# Altium PCB CH32V307V-R2-1v1.PcbDoc (part 1 of 3)
Units mm, origin at the board's own origin, x right, y up, seen from the top; angles counter-clockwise.
Board outline 80 x 115 mm, 2 copper layers (Top Layer, Bottom Layer); 122 components, 134 nets, 559 pads, 721 vias.
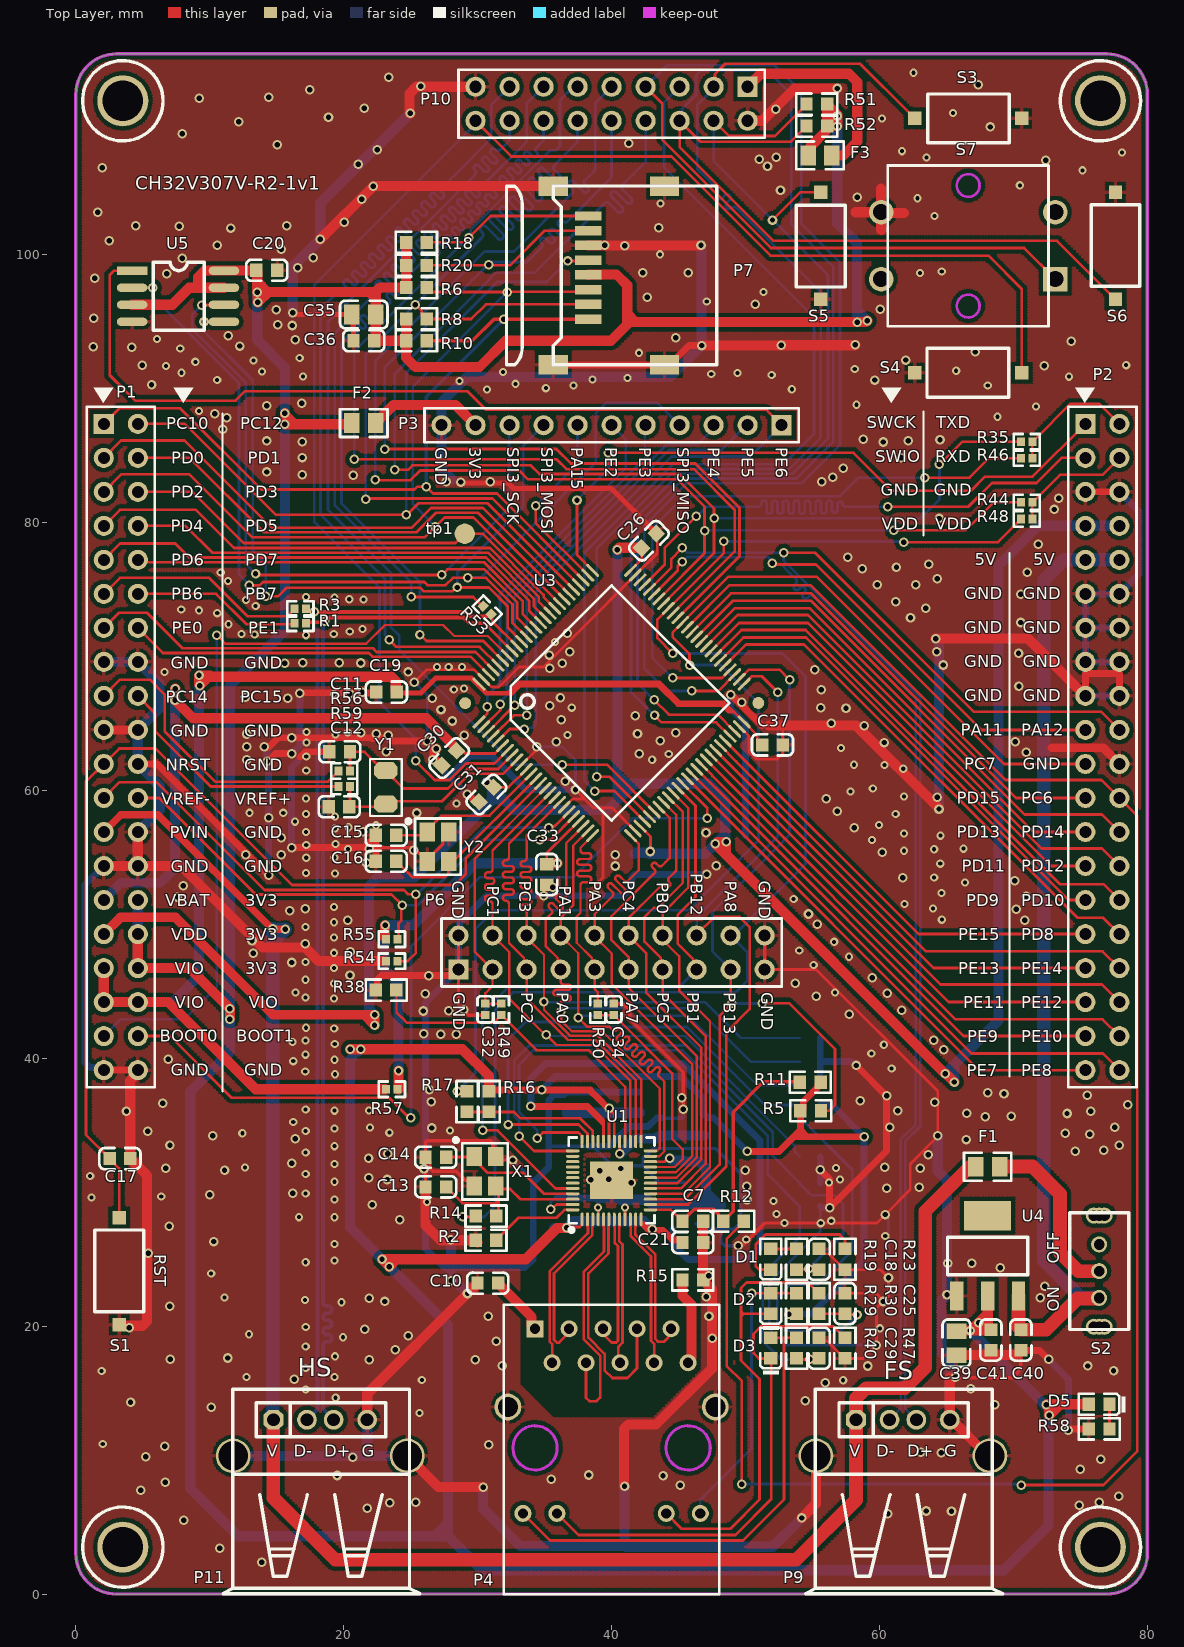
[diagram p0: Top Layer view]
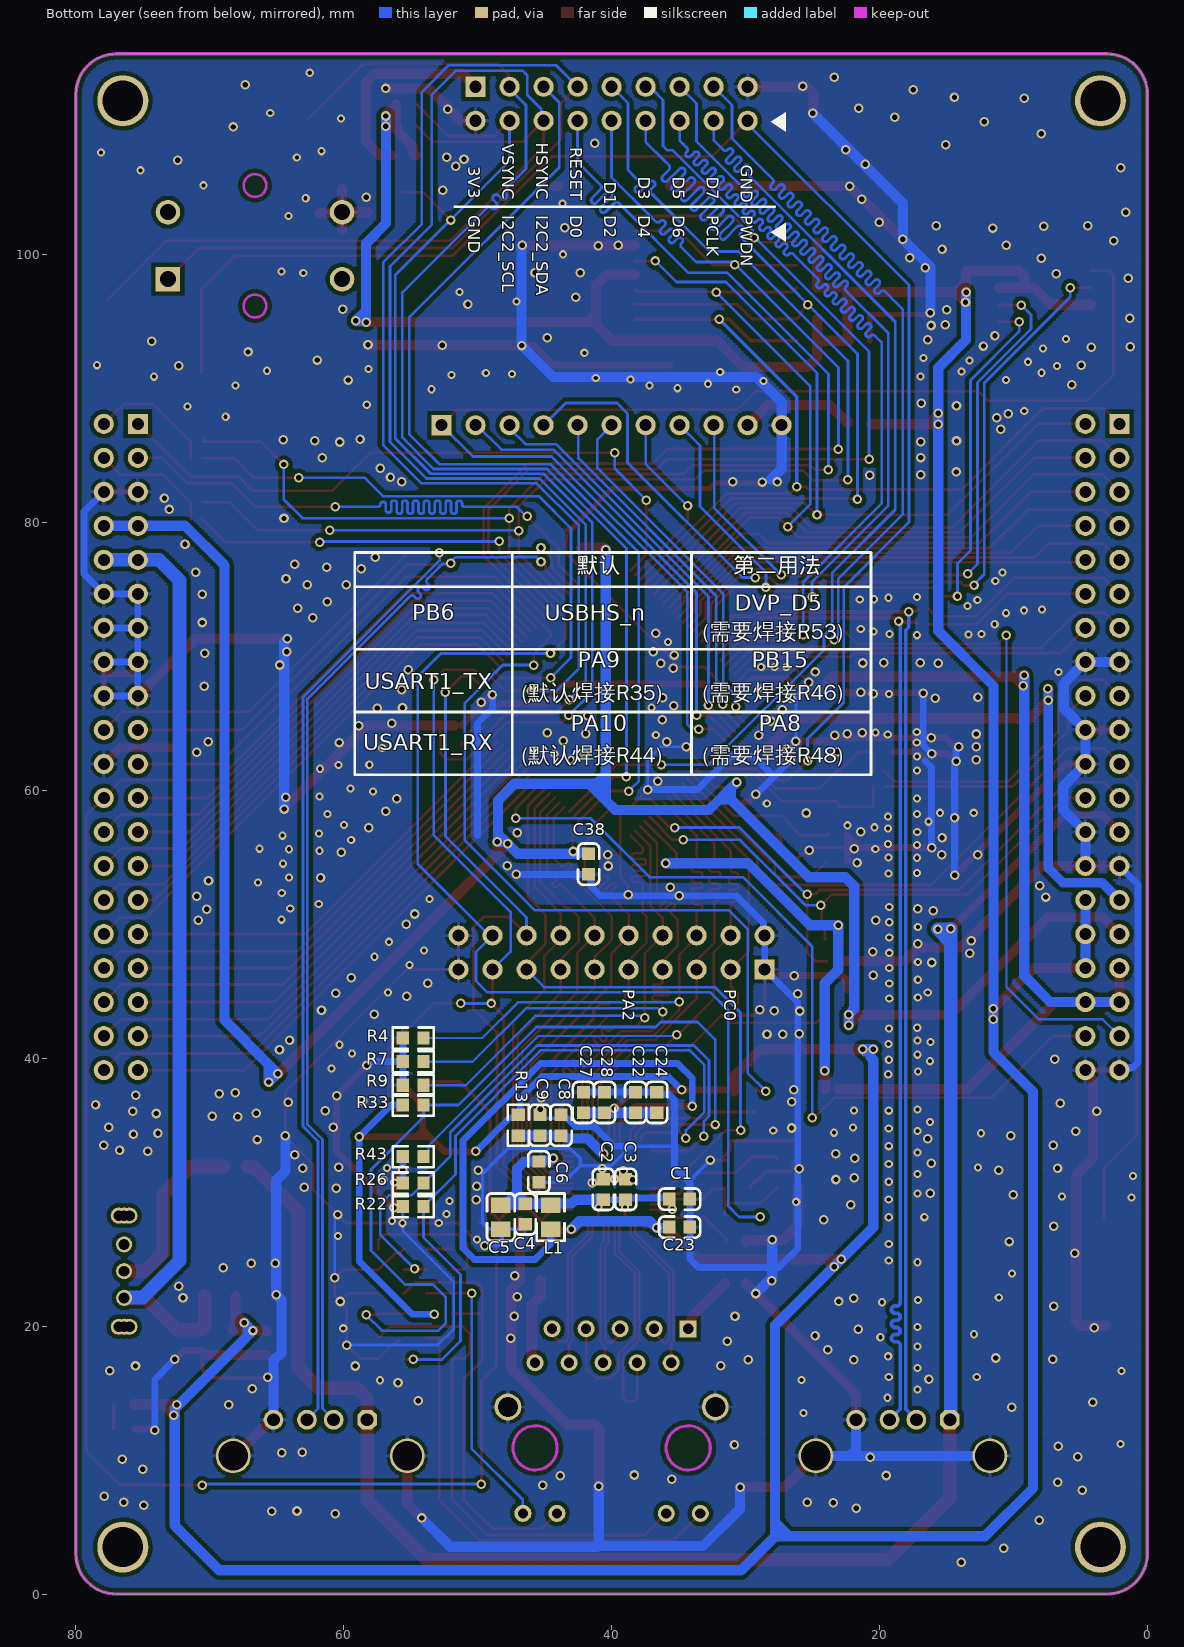
[diagram p1: Bottom Layer view, seen from below]
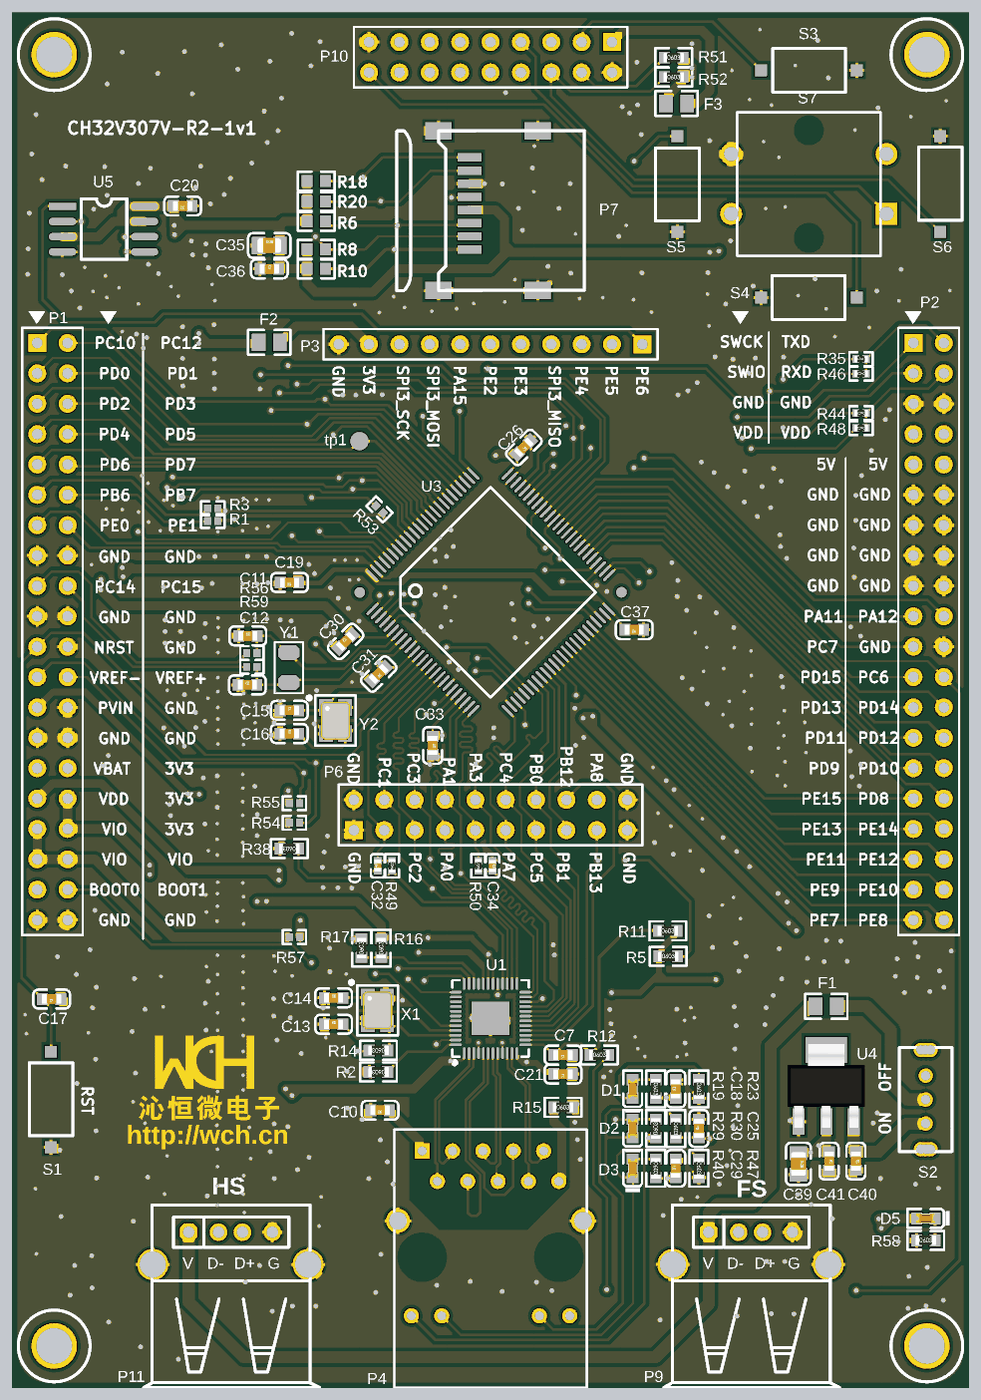
[diagram p4: 3D render of the assembled board from above, using the file's embedded part models]
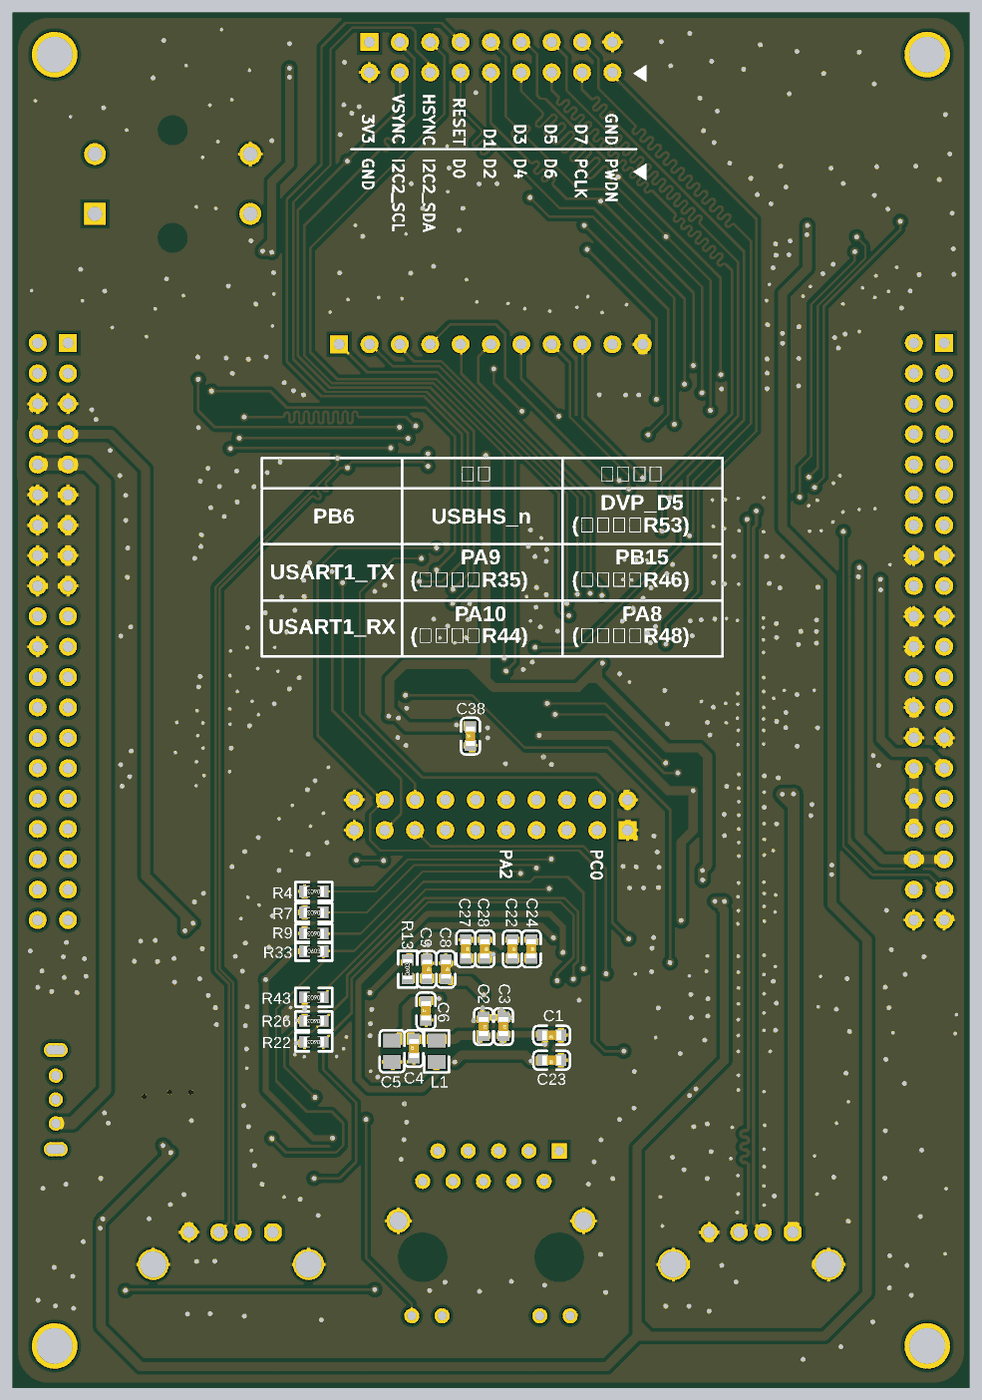
[diagram p5: 3D render of the assembled board from below, using the file's embedded part models]

## Layer stack, top to bottom
Top Solder: solder mask 0.0102, Solder Resist, Dk 3.5
Top Layer: signal copper 0.0356
Dielectric 1: dielectric 0.32, FR-4, Dk 4.8
Bottom Layer: signal copper 0.0356
Bottom Solder: solder mask 0.0102, Solder Resist, Dk 3.5

## Board outline
0,3 0,112 cw(c3,112) 3,115 77.007,115 77,115 cw(c77,112) 80,112 80,2.999 80,3 cw(c77,3) 77,0 3,0 cw(c3,3)

## Design rules (kind name [scope] priority, off if disabled: settings)
Clearance Clearance_2 [InPolygon] p1: gap=0.305 ignorepadtopadclearanceinfootprint=FALSE
Clearance [All] p2: gap=0.127 ignorepadtopadclearanceinfootprint=FALSE except(0.178: Arc-Via Track-Via SMDPad-Via THPad-Via Via-Via Via-Fill Via-Poly Via-Region Via-Text Via-Hole)
ComponentClearance [All] p1 off: gap=0.254 collisioncheckmode=3 verticalgap=0.254 showdistances=FALSE
DiffPairsRouting [All] p1: maxlimit=0.254 minlimit=0.127 mostfreqgap=0.254 toplayer_minwidth=0.152 toplayer_maxwidth=0.381 toplayer_prefwidth=0.381 bottomlayer_minwidth=0.152 bottomlayer_maxwidth=0.381 bottomlayer_prefwidth=0.381 maxuncoupledlength=12.7
MinimumSolderMaskSliver [All] p1 off: minsoldermaskwidth=0.254
PolygonConnect PolygonConnect_1 [IsVia] p1: connectstyle=Direct reliefconductorwidth=0.254 reliefentries=4 polygonreliefangle="90 Angle" airgapwidth=0.254
PolygonConnect [All] p2: connectstyle=Relief reliefconductorwidth=0.254 reliefentries=4 polygonreliefangle="90 Angle" airgapwidth=0.254
RoutingVias [All] p1: holewidth=0.711 width=1.27 viastyle="Through Hole" minholewidth=0.305 minwidth=0.61 maxholewidth=0.711 maxwidth=1.27
SilkToSilkClearance [All] p1 off: silktosilkclearance=0.254
SilkToSolderMaskClearance [IsPad] p1 off: minsilkscreentomaskgap=0.254 clearancetoexposedcopper=TRUE
SolderMaskExpansion [All] p1: expansion=0.102 istentingtop=FALSE
Width [All] p1: maxlimit=2.54 minlimit=0.127 preferedwidth=0.254
25 further rules are at their usual default settings.

## Classes and differential pairs
differential pair USB1D: +USB1D_p -USB1D_n
differential pair USB2D: +USB2D_p -USB2D_n
differential pair MDI3: +MDI3_p -MDI3_n
differential pair MDI2: +MDI2_p -MDI2_n
differential pair MDI1: +MDI1_p -MDI1_n
differential pair MDI0: +MDI0_p -MDI0_n

## Components (designator, comment, footprint, x,y, rotation, side; value= is the part's Value field where it differs from the comment)
C1 "100nF" 0603_C 34.921,29.489 r0 bottom
C2 "100nF" 0603_C 40.623,30.217 r270 bottom
C3 "100nF" 0603_C 38.953,30.217 r270 bottom
C4 "100nF" 0603_C 46.444,28.377 r90 bottom
C5 "22uF" 0805_C#1 48.271,27.252 r90 bottom
C6 "100nF" 0603_C 45.433,31.527 r90 bottom
C7 "100nF" 0603_C 46.062,27.833 r180 top
C8 "100nF" 0603_C 43.773,35.004 r270 bottom
C9 "4.7uF" 0603_C 45.357,35.004 r270 bottom
C10 "100nF" 0603_C 30.756,23.212 r180 top
C11 "12pF" 0603_C 19.698,62.889 r0 top
C12 "12pF" 0603_C 19.657,58.786 r0 top
C13 "27pF" 0603_C 26.873,30.404 r0 top
C14 "27pF" 0603_C 26.873,32.614 r0 top
C15 "20pF" 0603_C 23.167,56.655 r0 top
C16 "20pF" 0603_C 23.167,54.719 r0 top
C17 "100nF" 0603_C 3.285,32.513 r180 top
C18 "100nF" 0603_C 55.495,24.995 r90 top
C19 "100nF" 0603_C 23.186,67.348 r180 top
C20 "100nF" 0603_C 14.251,98.843 r180 top
C21 "100nF" 0603_C 46.062,26.241 r180 top
C22 "100nF" 0603_C 38.206,36.708 r270 bottom
C23 "100nF" 0603_C 34.921,27.397 r0 bottom
C24 "4.7uF" 0603_C 36.628,36.708 r270 bottom
C25 "100nF" 0603_C 57.427,21.691 r90 top
C26 "100nF" 0603_C 42.788,78.647 r225 top
C27 "100nF" 0603_C 42.099,36.708 r270 bottom
C28 "4.7uF" 0603_C 40.521,36.708 r270 bottom
C29 "100nF" 0603_C 55.495,18.359 r90 top
C30 "100nF" 0603_C 27.879,62.42 r45 top
C31 "100nF" 0603_C 30.646,59.701 r225 top
C32 "NC" 0402_C 30.564,43.656 r90 top
C33 "100nF" 0603_C 35.157,53.724 r270 top
C34 "NC" 0402_C 40.165,43.656 r270 top
C35 "10uF" 0805_C#2 21.492,95.537 r0 top
C36 "0.1uF" 0603_C 21.498,93.583 r0 top
C37 "100nF" 0603_C 52.014,63.403 r180 top
C38 "100nF" 0603_C 41.718,54.502 r90 bottom
C39 "10uF" 0805_C#2 65.749,18.729 r270 top
C40 "100nF" 0603_C 70.563,18.964 r270 top
C41 "100nF" 0603_C 68.318,18.964 r270 top
D1 "蓝灯 0603" 0603_LED_S1 51.886,24.995 r90 top
D2 "黄灯 0805" 0603_LED_S1 51.886,21.691 r90 top
D3 "翠绿 0805" 0603_LED_S1 51.886,18.359 r90 top
D5 "蓝灯 0603" 0603_LED_S1 76.408,14.168 r180 top
F1 "500mA" 0805 67.191,31.903 r0 top
F2 "200mA" 0805 22.382,87.434 r180 top
F3 "100mA" 0805 56.447,107.419 r180 top
L1 "22uH" 0805 44.546,27.252 r90 bottom
P1 "Header 20X2" HDR2X20 2.081,87.38 r270 top
P2 "Header 20X2" HDR2X20 75.379,87.38 r270 top
P3 "Header 11" HDR1X11 52.7,87.274 r180 top
P4 "HR911130C" RJ45-1G 34.283,19.807 r180 top locked
P6 "Header 10X2" HDR2X10 28.57,46.634 r0 top
P7 "TF CARD" TF103 38.253,95.212 r180 top
P9 "USB" USBAF 58.253,13.012 r0 top
P10 "Header 9X2" HDR2X9 50.16,112.547 r180 top
P11 "USB" USBAF 14.747,13.012 r0 top
R1 "0Ω (0R0) ±1%" 0402 17.186,72.489 r180 top
R2 "2.49K 1%" 0603_R 30.619,26.416 r180 top
R3 "0Ω (0R0) ±1%" 0402 17.186,73.562 r180 top
R4 "4.7K" 0603_R 54.814,41.515 r0 bottom
R5 "4.7K" 0603_R 54.865,36.086 r0 top
R6 "47K" 0603_R 25.422,97.549 r180 top
R7 "4.7K" 0603_R 54.814,39.753 r0 bottom
R8 "47K" 0603_R 25.422,95.212 r180 top
R9 "4.7K" 0603_R 54.814,37.992 r0 bottom
R10 "47K" 0603_R 25.422,93.583 r180 top
R11 "4.7K" 0603_R 54.831,38.216 r0 top
R12 "0Ω" 0603_R 49.105,27.833 r0 top
R13 "0Ω" 0603_R 46.97,35.004 r90 bottom
R14 "0Ω" 0603_R 30.619,28.219 r180 top
R15 "0Ω" 0603_R 46.062,23.455 r0 top
R16 "4.7K" 0603_R 30.856,36.77 r90 top
R17 "0Ω(NC)" 0603_R 29.205,36.77 r90 top
R18 "47K" 0603_R 25.422,100.926 r180 top
R19 "0Ω" 0603_R 53.817,24.995 r270 top
R20 "47K" 0603_R 25.422,99.213 r180 top
R22 "4.7K" 0603_R 54.814,28.93 r0 bottom
R23 "510Ω" 0603_R 57.427,24.995 r270 top
R26 "4.7K" 0603_R 54.814,30.681 r0 bottom
R29 "510Ω" 0603_R 53.817,21.691 r90 top
R30 "0Ω" 0603_R 55.495,21.691 r270 top
R33 "4.7K" 0603_R 54.814,36.513 r180 bottom
R35 "0Ω (0R0) ±1%" 0402_R 70.991,86.037 r180 top
R38 "4.7K" 0603_R 23.167,45.098 r180 top
R40 "0Ω" 0603_R 53.817,18.359 r270 top
R43 "4.7K" 0603_R 54.814,32.656 r0 bottom
R44 "0Ω (0R0) ±1%" 0402_R 70.991,81.518 r180 top
R46 "0Ω (0R0) ±1%" 0402_R 70.991,84.811 r180 top
R47 "510Ω" 0603_R 57.427,18.359 r270 top
R48 "0Ω (0R0) ±1%" 0402_R 70.991,80.265 r180 top
R49 "0Ω" 0402_R 31.758,43.656 r90 top
R50 "0Ω" 0402_R 38.971,43.656 r90 top
R51 "10KΩ (1002) ±1%" 0603_R 55.322,111.252 r0 top
R52 "10KΩ (1002) ±1%" 0603_R 55.322,109.615 r0 top
R53 "0Ω (0R0) ±1%" 0402 31.008,73.16 r135 top
R54 "0R" 0402 23.167,47.26 r0 top
R55 "0R" 0402 23.167,48.891 r0 top
R56 "0Ω (0R0) ±1%" 0402 20.468,61.452 r180 top
R57 "0R" 0402 23.167,37.691 r0 top
R58 "470Ω (4700) ±1%" 0603_R 76.408,12.329 r0 top
R59 "0Ω (0R0) ±1%" 0402 20.468,60.293 r180 top
S1 "RST#" SMD_6.1x3.65x2.5mm-KEY 3.233,20.106 r90 top
S2 "SW SPDT" "Horizontal Slide Switch_8.7x4.4mm-2D" 78.603,19.756 r90 top
S3 "up" SMD_6.1x3.65x2.5mm-KEY 62.626,110.182 r0 top
S4 "down" SMD_6.1x3.65x2.5mm-KEY 70.626,91.182 r180 top
S5 "left" SMD_6.1x3.65x2.5mm-KEY 55.627,104.674 r270 top
S6 "right" SMD_6.1x3.65x2.5mm-KEY 77.626,96.674 r90 top
S7 "OK" KEYD 73.126,98.183 r180 top locked
tp1 "test-point" POINT 29.031,79.174 r0 top
U1 "RTL8211FS" QFN-48_6x6x04P 40,30.886 r0 top
U3 "CH32V307V" LQFP100 30.101,65.118 r315 top
U4 "LM1117" SOT-223 68.081,25.254 r270 top
U5 "W25Q32JV" SOIC-8_208mil 4.196,98.811 r270 top
X1 "25MHz" SMD-3225_4P 30.546,31.566 r270 top
Y1 "32768Hz" FC-135 23.137,61.474 r270 top
Y2 "8MHz" SMD-3225_4P 27.027,55.803 r270 top
? "" HOLE 76.5,3.5 r0 top
? "" HOLE 3.5,3.5 r0 top
? "" HOLE 3.5,111.5 r0 top
? "" HOLE 76.5,111.5 r0 top

## Footprints (in the part's own frame and the unit in brackets; to place one, negate y for a bottom-side part, rotate by r counter-clockwise, add the part's x,y. Pads: shape width x height; smd on the part's side, far side on the other; paste and mask are expansions set on the pad)
0402 [mm]
  rect 0.6x0.65 smd mask+0.051: 1(0,0) 2(0.85,0)
  silkscreen extent -0.55,-0.58 1.4,0.57
0402_C [mm]
  rect 0.6x0.65 smd mask+0.051: 1(-0.425,0) 2(0.425,0)
  silkscreen extent -0.97,-0.58 0.98,0.58, body extent -0.48,-0.3 0.52,0.3, height 0.2
0402_R [mm]
  rect 0.6x0.65 smd mask+0.051: 1(-0.425,0) 2(0.425,0)
  silkscreen extent -0.98,-0.58 0.98,0.58, body extent -0.57,-0.27 0.58,0.28, height 0.41
0603_C [mm]
  rect 0.93x0.98 smd: 1(-0.77,0) 2(0.77,0)
  silkscreen extent -1.53,-0.79 1.54,0.79, body extent -0.8,-0.4 0.8,0.4, height 0.3
0603_LED_S1 [mm]
  rect 0.93x0.98 smd: A(0.77,0) K(-0.77,0)
  silkscreen extent -1.97,-0.79 1.54,0.79, body extent -0.8,-0.4 0.8,0.4, height 0.6
0603_R [mm]
  rect 0.93x0.98 smd: 1(-0.77,0) 2(0.77,0)
  silkscreen extent -1.53,-0.79 1.54,0.79, body extent -0.85,-0.4 0.85,0.4, height 0.56
0805 [mm]
  rect 1.16x1.47 smd: 1(0,0) 2(1.78,0)
  silkscreen extent -0.88,-1.04 2.66,1.03
0805_C#1 [mm]
  rect 1.16x1.47 smd: 1(0,0) 2(1.78,0)
  silkscreen extent -0.88,-1.04 2.66,1.03
0805_C#2 [mm]
  rect 1.16x1.47 smd: 1(-0.89,0) 2(0.89,0)
  silkscreen extent -1.77,-1.04 1.77,1.04, body extent -1,-0.62 1,0.63, height 0.77
FC-135 [mil]
  oct 50x70 smd: 1(0,0) 2(98.43,0)
  silkscreen extent -35,-47 133,47
HDR1X11 [mm] "Connector; Header; 11 Position"
  rect 1.5x1.5 hole 0.9: 1(0,0)
  round 1.5 hole 0.9: 2(2.54,0) 3(5.08,0) 4(7.62,0) 5(10.16,0) 6(12.7,0) 7(15.24,0) 8(17.78,0) 9(20.32,0) 10(22.86,0) 11(25.4,0)
  silkscreen extent -1.27,-1.27 26.67,1.27
HDR2X9 [mm] "Connector; Header; 9x2 Position"
  rect 1.5x1.5 hole 0.9: 1(0,0)
  round 1.5 hole 0.9: 2(0,2.54) 3(2.54,0) 4(2.54,2.54) 5(5.08,0) 6(5.08,2.54) 7(7.62,0) 8(7.62,2.54) 9(10.16,0) 10(10.16,2.54) 11(12.7,0) 12(12.7,2.54) 13(15.24,0) 14(15.24,2.54) 15(17.78,0) 16(17.78,2.54) 17(20.32,0) 18(20.32,2.54)
  silkscreen extent -1.27,-1.27 21.59,3.81
HDR2X10 [mm] "Connector; Header; 10x2 Position"
  rect 1.5x1.5 hole 0.9: 1(0,0)
  round 1.5 hole 0.9: 2(0,2.54) 3(2.54,0) 4(2.54,2.54) 5(5.08,0) 6(5.08,2.54) 7(7.62,0) 8(7.62,2.54) 9(10.16,0) 10(10.16,2.54) 11(12.7,0) 12(12.7,2.54) 13(15.24,0) 14(15.24,2.54) 15(17.78,0) 16(17.78,2.54) 17(20.32,0) 18(20.32,2.54) 19(22.86,0) 20(22.86,2.54)
  silkscreen extent -1.27,-1.27 24.13,3.81
HDR2X20 [mm] "Connector; Header; 20x2 Position"
  rect 1.5x1.5 hole 0.9: 1(0,0)
  round 1.5 hole 0.9: 2(0,2.54) 3(2.54,0) 4(2.54,2.54) 5(5.08,0) 6(5.08,2.54) 7(7.62,0) 8(7.62,2.54) 9(10.16,0) 10(10.16,2.54) 11(12.7,0) 12(12.7,2.54) 13(15.24,0) 14(15.24,2.54) 15(17.78,0) 16(17.78,2.54) 17(20.32,0) 18(20.32,2.54) 19(22.86,0) 20(22.86,2.54) 21(25.4,0) 22(25.4,2.54) 23(27.94,0) 24(27.94,2.54) 25(30.48,0) 26(30.48,2.54) 27(33.02,0) 28(33.02,2.54) 29(35.56,0) 30(35.56,2.54) 31(38.1,0) 32(38.1,2.54) 33(40.64,0) 34(40.64,2.54) 35(43.18,0) 36(43.18,2.54) 37(45.72,0) 38(45.72,2.54) 39(48.26,0) 40(48.26,2.54)